# KiCad board coconut42.kicad_pcb
title: coconut42; date: 2024-11-23; rev: 1.3; company: tor-nky
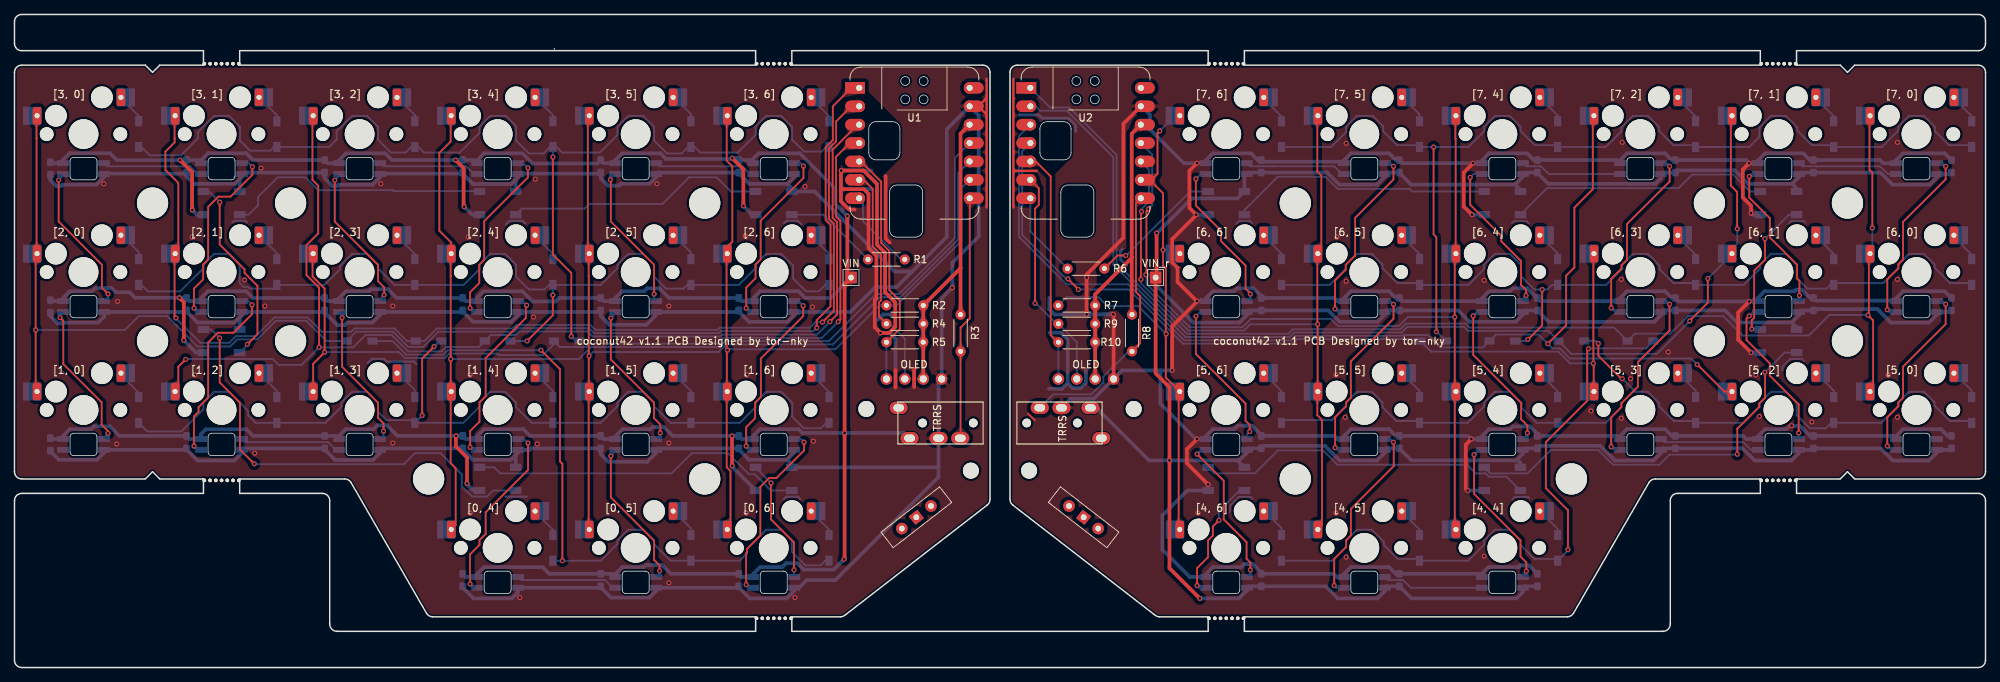
[diagram p0: board, top side]
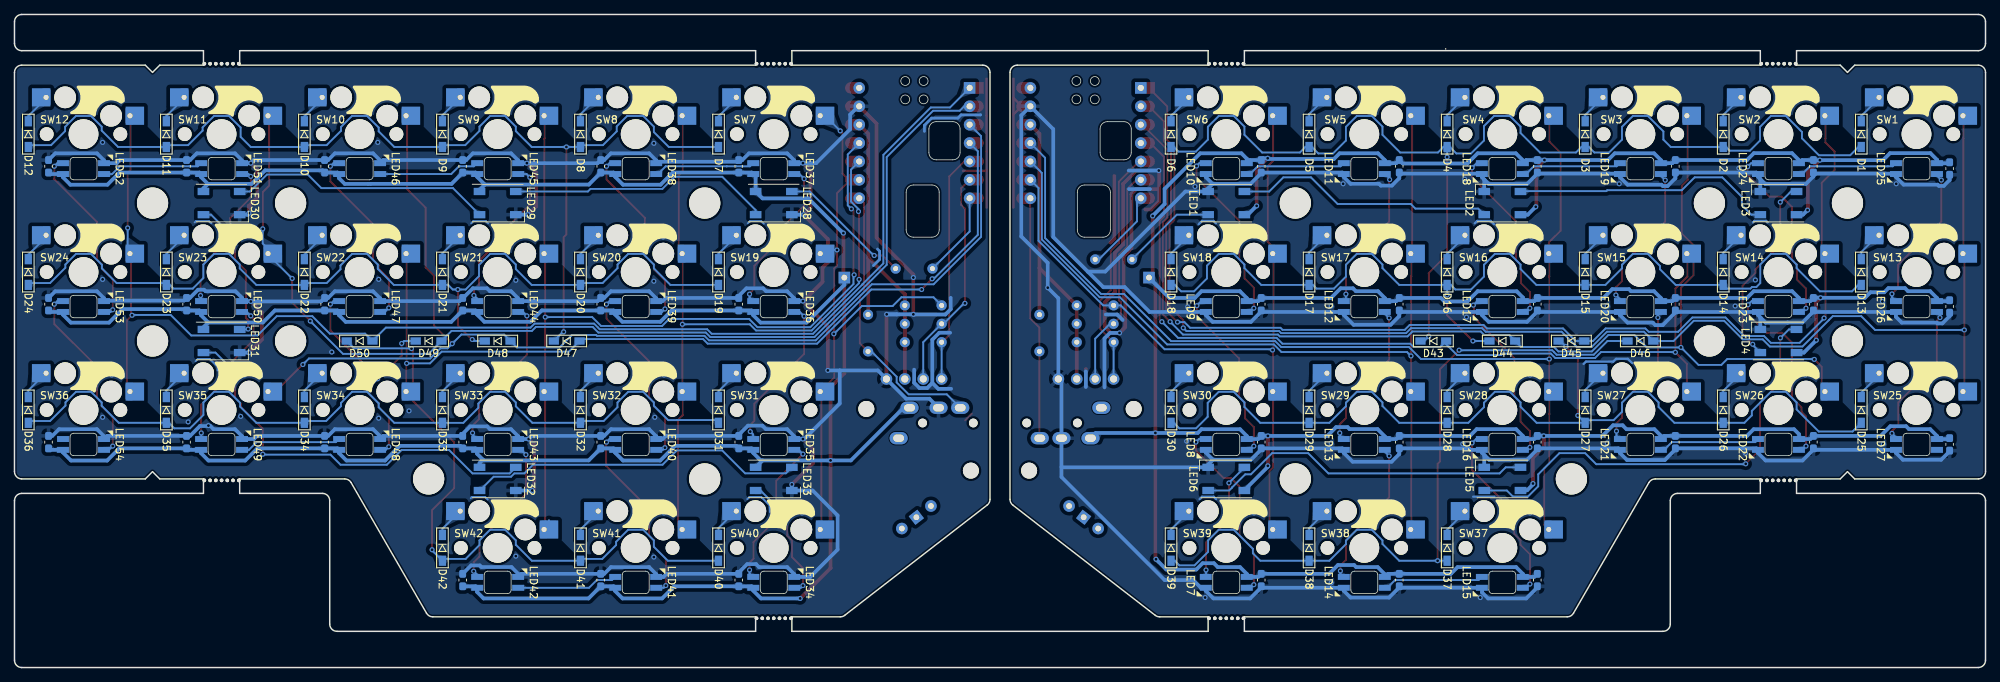
[diagram p1: board, bottom side, seen from below]

Outline 272 x 90.2 mm; copper layers: Top, Bottom. Coordinates in mm from the lower left corner of the outline.
Outline path: 0,89.2 arc(0.29,89.91) 1,90.2 271,90.2 arc(271.71,89.91) 272,89.2 272,86.2 arc(271.71,85.49) 271,85.2 245.93,85.2 245.93,83.2 251.95,83.2 252.95,82.2 253.95,83.2 271,83.2 arc(271.71,82.91) 272,82.2 272,27.05 arc(271.71,26.34) 271,26.05 253.95,26.05 252.95,27.05 251.95,26.05 245.93,26.05 245.93,24.05 271,24.05 arc(271.71,23.76) 272,23.05 272,1 arc(271.71,0.29) 271,0 1,0 arc(0.29,0.29) 0,1 0,23.05 arc(0.29,23.76) 1,24.05 26.08,24.05 26.08,26.05 20.05,26.05 19.05,27.05 18.05,26.05 1,26.05 arc(0.29,26.34) 0,27.05 0,82.2 arc(0.29,82.91) 1,83.2 18.05,83.2 19.05,82.2 20.05,83.2 26.08,83.2 26.08,85.2 1,85.2 arc(0.29,85.49) 0,86.2 0,89.2 ; 31.08,85.2 31.08,83.2 102.28,83.2 102.28,85.2 31.08,85.2 ; 31.08,26.05 31.08,24.05 42.5,24.05 arc(43.21,23.76) 43.5,23.05 43.5,6 arc(43.79,5.29) 44.5,5 102.28,5 102.28,7 57.73,7 arc(57.23,7.13) 56.86,7.5 46.44,25.55 arc(46.08,25.92) 45.58,26.05 31.08,26.05 ; 107.28,85.2 107.28,83.2 133.62,83.2 arc(134.33,82.91) 134.62,82.2 134.62,23.23 arc(134.52,22.79) 134.23,22.44 114.57,7.21 arc(114.28,7.05) 113.96,7 107.28,7 107.28,5 164.73,5 164.73,7 158.04,7 arc(157.72,7.05) 157.43,7.21 137.77,22.44 arc(137.48,22.79) 137.38,23.23 137.38,82.2 arc(137.67,82.91) 138.38,83.2 164.73,83.2 164.73,85.2 107.28,85.2 ; 169.73,85.2 169.73,83.2 240.93,83.2 240.93,85.2 169.73,85.2 ; 169.73,7 169.73,5 227.5,5 arc(228.21,5.29) 228.5,6 228.5,23.05 arc(228.79,23.76) 229.5,24.05 240.93,24.05 240.93,26.05 226.42,26.05 arc(225.92,25.92) 225.56,25.55 215.14,7.5 arc(214.77,7.13) 214.27,7 169.73,7
Stack: Top 0.035mm / dielectric 1.51mm FR4 er 4.5 / Bottom 0.035mm

## Placement (name value [footprint] x y rotation side)
BT1  -  [Breakaway_Tabs]  28.58 83.4 0 top
BT2  -  [Breakaway_Tabs]  104.78 83.4 0 top
BT3  -  [Breakaway_Tabs]  28.58 25.85 0 top
BT4  -  [Breakaway_Tabs]  104.78 6.8 0 top
C7  0.1u  [C_0603_1608Metric_Pad1.08x0.95mm_HandSolder]  99.95 12.08 270 bottom
C8  0.1u  [C_0603_1608Metric_Pad1.08x0.95mm_HandSolder]  99.95 31.13 270 bottom
C9  0.1u  [C_0603_1608Metric_Pad1.08x0.95mm_HandSolder]  99.95 50.18 270 bottom
C10  0.1u  [C_0603_1608Metric_Pad1.08x0.95mm_HandSolder]  99.95 69.23 270 bottom
C11  0.1u  [C_0603_1608Metric_Pad1.08x0.95mm_HandSolder]  80.9 69.23 270 bottom
C12  0.1u  [C_0603_1608Metric_Pad1.08x0.95mm_HandSolder]  80.9 50.18 270 bottom
C13  0.1u  [C_0603_1608Metric_Pad1.08x0.95mm_HandSolder]  80.9 31.13 270 bottom
C14  0.1u  [C_0603_1608Metric_Pad1.08x0.95mm_HandSolder]  80.9 12.08 270 bottom
C15  0.1u  [C_0603_1608Metric_Pad1.08x0.95mm_HandSolder]  61.85 12.08 270 bottom
C16  0.1u  [C_0603_1608Metric_Pad1.08x0.95mm_HandSolder]  61.85 31.13 270 bottom
C17  0.1u  [C_0603_1608Metric_Pad1.08x0.95mm_HandSolder]  61.85 50.18 270 bottom
C18  0.1u  [C_0603_1608Metric_Pad1.08x0.95mm_HandSolder]  61.85 69.23 270 bottom
C19  0.1u  [C_0603_1608Metric_Pad1.08x0.95mm_HandSolder]  42.8 69.23 270 bottom
C20  0.1u  [C_0603_1608Metric_Pad1.08x0.95mm_HandSolder]  42.8 50.18 270 bottom
C21  0.1u  [C_0603_1608Metric_Pad1.08x0.95mm_HandSolder]  42.8 31.13 270 bottom
C22  0.1u  [C_0603_1608Metric_Pad1.08x0.95mm_HandSolder]  23.75 31.13 270 bottom
C23  0.1u  [C_0603_1608Metric_Pad1.08x0.95mm_HandSolder]  23.75 50.18 270 bottom
C24  0.1u  [C_0603_1608Metric_Pad1.08x0.95mm_HandSolder]  23.75 69.23 270 bottom
C25  0.1u  [C_0603_1608Metric_Pad1.08x0.95mm_HandSolder]  4.95 68.92 270 bottom
C26  0.1u  [C_0603_1608Metric_Pad1.08x0.95mm_HandSolder]  4.95 49.87 270 bottom
C27  0.1u  [C_0603_1608Metric_Pad1.08x0.95mm_HandSolder]  4.95 30.82 270 bottom
C34  0.1u  [C_0603_1608Metric_Pad1.08x0.95mm_HandSolder]  172.05 12.08 90 bottom
C35  0.1u  [C_0603_1608Metric_Pad1.08x0.95mm_HandSolder]  172.05 31.13 90 bottom
C36  0.1u  [C_0603_1608Metric_Pad1.08x0.95mm_HandSolder]  172.05 50.18 90 bottom
C37  0.1u  [C_0603_1608Metric_Pad1.08x0.95mm_HandSolder]  172.05 69.23 90 bottom
C38  0.1u  [C_0603_1608Metric_Pad1.08x0.95mm_HandSolder]  191.1 69.23 90 bottom
C39  0.1u  [C_0603_1608Metric_Pad1.08x0.95mm_HandSolder]  191.1 50.18 90 bottom
C40  0.1u  [C_0603_1608Metric_Pad1.08x0.95mm_HandSolder]  191.1 31.13 90 bottom
C41  0.1u  [C_0603_1608Metric_Pad1.08x0.95mm_HandSolder]  191.1 12.08 90 bottom
C42  0.1u  [C_0603_1608Metric_Pad1.08x0.95mm_HandSolder]  210.15 12.08 90 bottom
C43  0.1u  [C_0603_1608Metric_Pad1.08x0.95mm_HandSolder]  210.15 31.13 90 bottom
C44  0.1u  [C_0603_1608Metric_Pad1.08x0.95mm_HandSolder]  210.15 50.18 90 bottom
C45  0.1u  [C_0603_1608Metric_Pad1.08x0.95mm_HandSolder]  210.15 69.23 90 bottom
C46  0.1u  [C_0603_1608Metric_Pad1.08x0.95mm_HandSolder]  229.2 69.23 90 bottom
C47  0.1u  [C_0603_1608Metric_Pad1.08x0.95mm_HandSolder]  229.2 50.18 90 bottom
C48  0.1u  [C_0603_1608Metric_Pad1.08x0.95mm_HandSolder]  229.2 31.13 90 bottom
C49  0.1u  [C_0603_1608Metric_Pad1.08x0.95mm_HandSolder]  248.25 31.13 90 bottom
C50  0.1u  [C_0603_1608Metric_Pad1.08x0.95mm_HandSolder]  248.25 50.18 90 bottom
C51  0.1u  [C_0603_1608Metric_Pad1.08x0.95mm_HandSolder]  248.25 69.23 90 bottom
C52  0.1u  [C_0603_1608Metric_Pad1.08x0.95mm_HandSolder]  267.3 69.23 90 bottom
C53  0.1u  [C_0603_1608Metric_Pad1.08x0.95mm_HandSolder]  267.3 50.18 90 bottom
C54  0.1u  [C_0603_1608Metric_Pad1.08x0.95mm_HandSolder]  267.3 31.13 90 bottom
D1  D  [D3_SMD_v2]  17.15 73.68 270 bottom
D2  D  [D3_SMD_v2]  36.2 73.68 270 bottom
D3  D  [D3_SMD_v2]  55.25 73.68 270 bottom
D4  D  [D3_SMD_v2]  74.3 73.68 270 bottom
D5  D  [D3_SMD_v2]  93.35 73.68 270 bottom
D6  D  [D3_SMD_v2]  112.4 73.68 270 bottom
D7  D  [D3_SMD_v2]  174.85 73.68 270 bottom
D8  D  [D3_SMD_v2]  193.9 73.68 270 bottom
D9  D  [D3_SMD_v2]  212.95 73.68 270 bottom
D10  D  [D3_SMD_v2]  232 73.68 270 bottom
D11  D  [D3_SMD_v2]  251.05 73.68 270 bottom
D12  D  [D3_SMD_v2]  270.1 73.68 270 bottom
D13  D  [D3_SMD_v2]  17.15 54.63 270 bottom
D14  D  [D3_SMD_v2]  36.2 54.63 270 bottom
D15  D  [D3_SMD_v2]  55.25 54.63 270 bottom
D16  D  [D3_SMD_v2]  74.3 54.63 270 bottom
D17  D  [D3_SMD_v2]  93.35 54.63 270 bottom
D18  D  [D3_SMD_v2]  112.4 54.63 270 bottom
D19  D  [D3_SMD_v2]  174.85 54.63 270 bottom
D20  D  [D3_SMD_v2]  193.9 54.63 270 bottom
D21  D  [D3_SMD_v2]  212.95 54.63 270 bottom
D22  D  [D3_SMD_v2]  232 54.63 270 bottom
D23  D  [D3_SMD_v2]  251.05 54.63 270 bottom
D24  D  [D3_SMD_v2]  270.1 54.63 270 bottom
D25  D  [D3_SMD_v2]  17.15 35.58 270 bottom
D26  D  [D3_SMD_v2]  36.2 35.58 270 bottom
D27  D  [D3_SMD_v2]  55.25 35.58 270 bottom
D28  D  [D3_SMD_v2]  74.3 35.58 270 bottom
D29  D  [D3_SMD_v2]  93.35 35.58 270 bottom
D30  D  [D3_SMD_v2]  112.4 35.58 270 bottom
D31  D  [D3_SMD_v2]  174.85 35.58 270 bottom
D32  D  [D3_SMD_v2]  193.9 35.58 270 bottom
D33  D  [D3_SMD_v2]  212.95 35.58 270 bottom
D34  D  [D3_SMD_v2]  232 35.58 270 bottom
D35  D  [D3_SMD_v2]  251.05 35.58 270 bottom
D36  D  [D3_SMD_v2]  270.1 35.58 270 bottom
D37  D  [D3_SMD_v2]  74.3 16.53 270 bottom
D38  D  [D3_SMD_v2]  93.35 16.53 270 bottom
D39  D  [D3_SMD_v2]  112.4 16.53 270 bottom
D40  D  [D3_SMD_v2]  174.85 16.53 270 bottom
D41  D  [D3_SMD_v2]  193.9 16.53 270 bottom
D42  D  [D3_SMD_v2]  212.95 16.53 270 bottom
D43  D  [D3_SMD_v2]  76.2 45.1 180 bottom
D44  D  [D3_SMD_v2]  66.68 45.1 180 bottom
D45  D  [D3_SMD_v2]  57.15 45.1 180 bottom
D46  D  [D3_SMD_v2]  47.63 45.1 180 bottom
D47  D  [D3_SMD_v2]  195.8 45.1 180 bottom
D48  D  [D3_SMD_v2]  205.33 45.1 180 bottom
D49  D  [D3_SMD_v2]  214.85 45.1 180 bottom
D50  D  [D3_SMD_v2]  224.38 45.1 180 bottom
J1  -  [OLED]  124.14 39.86 0 top
J2  -  [MJ-4PP-9]  133.81 33.78 270 top
J3  -  [OLED]  147.86 39.86 0 top
J4  -  [MJ-4PP-9]  138.19 33.78 90 top
LED1  WS2812B  [LED_WS2812B-PLCC4]  104.78 64.15 0 bottom
LED2  WS2812B  [LED_WS2812B-PLCC4]  66.68 64.15 0 bottom
LED3  WS2812B  [LED_WS2812B-PLCC4]  28.58 64.15 0 bottom
LED4  WS2812B  [LED_WS2812B-PLCC4]  28.58 45.1 0 bottom
LED5  WS2812B  [LED_WS2812B-PLCC4]  66.68 26.05 0 bottom
LED6  WS2812B  [LED_WS2812B-PLCC4]  104.78 26.05 0 bottom
LED7  -  [YS-SK6812MINI-E]  104.78 11.76 180 bottom
LED8  -  [YS-SK6812MINI-E]  104.78 30.81 180 bottom
LED9  -  [YS-SK6812MINI-E]  104.78 49.86 180 bottom
LED10  -  [YS-SK6812MINI-E]  104.78 68.91 180 bottom
LED11  -  [YS-SK6812MINI-E]  85.73 68.91 180 bottom
LED12  -  [YS-SK6812MINI-E]  85.73 49.86 180 bottom
LED13  -  [YS-SK6812MINI-E]  85.73 30.81 180 bottom
LED14  -  [YS-SK6812MINI-E]  85.73 11.76 180 bottom
LED15  -  [YS-SK6812MINI-E]  66.68 11.76 180 bottom
LED16  -  [YS-SK6812MINI-E]  66.68 30.81 180 bottom
LED17  -  [YS-SK6812MINI-E]  66.68 49.86 180 bottom
LED18  -  [YS-SK6812MINI-E]  66.68 68.91 180 bottom
LED19  -  [YS-SK6812MINI-E]  47.63 68.91 180 bottom
LED20  -  [YS-SK6812MINI-E]  47.63 49.86 180 bottom
LED21  -  [YS-SK6812MINI-E]  47.63 30.81 180 bottom
LED22  -  [YS-SK6812MINI-E]  28.58 30.81 180 bottom
LED23  -  [YS-SK6812MINI-E]  28.58 49.86 180 bottom
LED24  -  [YS-SK6812MINI-E]  28.58 68.91 180 bottom
LED25  -  [YS-SK6812MINI-E]  9.53 68.91 180 bottom
LED26  -  [YS-SK6812MINI-E]  9.53 49.86 180 bottom
LED27  -  [YS-SK6812MINI-E]  9.53 30.81 180 bottom
LED28  WS2812B  [LED_WS2812B-PLCC4]  167.23 64.15 180 bottom
LED29  WS2812B  [LED_WS2812B-PLCC4]  205.33 64.15 180 bottom
LED30  WS2812B  [LED_WS2812B-PLCC4]  243.43 64.15 180 bottom
LED31  WS2812B  [LED_WS2812B-PLCC4]  243.43 45.1 180 bottom
LED32  WS2812B  [LED_WS2812B-PLCC4]  205.33 26.05 180 bottom
LED33  WS2812B  [LED_WS2812B-PLCC4]  167.23 26.05 180 bottom
LED34  -  [YS-SK6812MINI-E]  167.23 11.76 0 bottom
LED35  -  [YS-SK6812MINI-E]  167.23 30.81 0 bottom
LED36  -  [YS-SK6812MINI-E]  167.23 49.86 0 bottom
LED37  -  [YS-SK6812MINI-E]  167.23 68.91 0 bottom
LED38  -  [YS-SK6812MINI-E]  186.28 68.91 0 bottom
LED39  -  [YS-SK6812MINI-E]  186.28 49.86 0 bottom
LED40  -  [YS-SK6812MINI-E]  186.28 30.81 0 bottom
LED41  -  [YS-SK6812MINI-E]  186.28 11.76 0 bottom
LED42  -  [YS-SK6812MINI-E]  205.33 11.76 0 bottom
LED43  -  [YS-SK6812MINI-E]  205.33 30.81 0 bottom
LED44  -  [YS-SK6812MINI-E]  205.33 49.86 0 bottom
LED45  -  [YS-SK6812MINI-E]  205.33 68.91 0 bottom
LED46  -  [YS-SK6812MINI-E]  224.38 68.91 0 bottom
LED47  -  [YS-SK6812MINI-E]  224.38 49.86 0 bottom
LED48  -  [YS-SK6812MINI-E]  224.38 30.81 0 bottom
LED49  -  [YS-SK6812MINI-E]  243.43 30.81 0 bottom
LED50  -  [YS-SK6812MINI-E]  243.43 49.86 0 bottom
LED51  -  [YS-SK6812MINI-E]  243.42 68.91 0 bottom
LED52  -  [YS-SK6812MINI-E]  262.48 68.91 0 bottom
LED53  -  [YS-SK6812MINI-E]  262.48 49.86 0 bottom
LED54  -  [YS-SK6812MINI-E]  262.48 30.81 0 bottom
PWR SW  -  [SW_Slide-03_Wuerth-WS-SLTV_10x2.5x6.4_P2.54mm]  124.46 20.75 37.8 top
PWR SW#2  -  [SW_Slide-03_Wuerth-WS-SLTV_10x2.5x6.4_P2.54mm]  147.54 20.75 322.2 top
R1  470  [R_Axial_DIN0204_L3.6mm_D1.6mm_P5.08mm_Horizontal]  122.87 56.37 180 top
R2  10k  [R_Axial_DIN0204_L3.6mm_D1.6mm_P5.08mm_Horizontal]  120.33 50.02 0 top
R3  4.7k  [R_Axial_DIN0204_L3.6mm_D1.6mm_P5.08mm_Horizontal]  130.56 43.67 90 top
R4  2.2k  [R_Axial_DIN0204_L3.6mm_D1.6mm_P5.08mm_Horizontal]  125.41 47.48 180 top
R5  2.2k  [R_Axial_DIN0204_L3.6mm_D1.6mm_P5.08mm_Horizontal]  125.41 44.94 180 top
R6  470  [R_Axial_DIN0204_L3.6mm_D1.6mm_P5.08mm_Horizontal]  145.32 55.1 0 top
R7  10k  [R_Axial_DIN0204_L3.6mm_D1.6mm_P5.08mm_Horizontal]  144.05 50.02 0 top
R8  4.7k  [R_Axial_DIN0204_L3.6mm_D1.6mm_P5.08mm_Horizontal]  154.21 43.67 90 top
R9  2.2k  [R_Axial_DIN0204_L3.6mm_D1.6mm_P5.08mm_Horizontal]  149.13 47.48 180 top
R10  2.2k  [R_Axial_DIN0204_L3.6mm_D1.6mm_P5.08mm_Horizontal]  149.13 44.94 180 top
rBT1  -  [Breakaway_Tabs]  243.43 83.4 0 top
rBT2  -  [Breakaway_Tabs]  167.23 83.4 0 top
rBT3  -  [Breakaway_Tabs]  243.43 25.85 0 top
rBT4  -  [Breakaway_Tabs]  167.23 6.8 0 top
Ref**  Val**  [M2_HOLE_v2]  95.25 64.15 0 top
Ref**#2  Val**  [M2_HOLE_v2]  57.15 26.05 0 top
Ref**#3  Val**  [M2_HOLE_v2]  95.25 26.05 0 top
Ref**#4  Val**  [MountingHole_2.2mm_M2]  117.55 35.71 0 top
Ref**#5  Val**  [MountingHole_2.2mm_M2]  131.98 27.19 0 top
Ref**#6  Val**  [M2_HOLE_v2]  214.85 26.05 180 top
Ref**#7  Val**  [MountingHole_2.2mm_M2]  140.02 27.19 0 top
Ref**#8  Val**  [M2_HOLE_v2]  176.75 26.05 180 top
Ref**#9  Val**  [M2_HOLE_v2]  252.95 64.15 180 top
Ref**#10  Val**  [M2_HOLE_v2]  176.75 64.15 180 top
Ref**#11  Val**  [MountingHole_2.2mm_M2]  154.45 35.71 0 top
Ref**#12  Val**  [M2_HOLE_v2]  19.05 45.1 0 top
Ref**#13  Val**  [M2_HOLE_v2]  19.05 64.15 0 top
Ref**#14  Val**  [M2_HOLE_v2]  38.1 64.15 0 top
Ref**#15  Val**  [M2_HOLE_v2]  38.1 45.1 0 top
Ref**#16  Val**  [M2_HOLE_v2]  233.9 64.15 180 top
Ref**#17  Val**  [M2_HOLE_v2]  233.9 45.1 180 top
Ref**#18  Val**  [M2_HOLE_v2]  252.95 45.1 180 bottom
SW1  [3, 0]  [keyswitch_cherrymx_hotswap_1u]  9.53 73.68 180 bottom
SW2  [3, 1]  [keyswitch_cherrymx_hotswap_1u]  28.58 73.68 180 bottom
SW3  [3, 2]  [keyswitch_cherrymx_hotswap_1u]  47.63 73.68 180 bottom
SW4  [3, 4]  [keyswitch_cherrymx_hotswap_1u]  66.68 73.68 180 bottom
SW5  [3, 5]  [keyswitch_cherrymx_hotswap_1u]  85.73 73.68 180 bottom
SW6  [3, 6]  [keyswitch_cherrymx_hotswap_1u]  104.78 73.68 180 bottom
SW7  [7, 6]  [keyswitch_cherrymx_hotswap_1u]  167.23 73.68 180 bottom
SW8  [7, 5]  [keyswitch_cherrymx_hotswap_1u]  186.28 73.68 180 bottom
SW9  [7, 4]  [keyswitch_cherrymx_hotswap_1u]  205.33 73.68 180 bottom
SW10  [7, 2]  [keyswitch_cherrymx_hotswap_1u]  224.38 73.68 180 bottom
SW11  [7, 1]  [keyswitch_cherrymx_hotswap_1u]  243.43 73.68 180 bottom
SW12  [7, 0]  [keyswitch_cherrymx_hotswap_1u]  262.48 73.68 180 bottom
SW13  [2, 0]  [keyswitch_cherrymx_hotswap_1u]  9.53 54.63 180 bottom
SW14  [2, 1]  [keyswitch_cherrymx_hotswap_1u]  28.58 54.63 180 bottom
SW15  [2, 3]  [keyswitch_cherrymx_hotswap_1u]  47.63 54.63 180 bottom
SW16  [2, 4]  [keyswitch_cherrymx_hotswap_1u]  66.68 54.63 180 bottom
SW17  [2, 5]  [keyswitch_cherrymx_hotswap_1u]  85.73 54.63 180 bottom
SW18  [2, 6]  [keyswitch_cherrymx_hotswap_1u]  104.78 54.63 180 bottom
SW19  [6, 6]  [keyswitch_cherrymx_hotswap_1u]  167.23 54.63 180 bottom
SW20  [6, 5]  [keyswitch_cherrymx_hotswap_1u]  186.28 54.63 180 bottom
SW21  [6, 4]  [keyswitch_cherrymx_hotswap_1u]  205.33 54.63 180 bottom
SW22  [6, 3]  [keyswitch_cherrymx_hotswap_1u]  224.38 54.63 180 bottom
SW23  [6, 1]  [keyswitch_cherrymx_hotswap_1u]  243.43 54.63 180 bottom
SW24  [6, 0]  [keyswitch_cherrymx_hotswap_1u]  262.48 54.63 180 bottom
SW25  [1, 0]  [keyswitch_cherrymx_hotswap_1u]  9.53 35.58 180 bottom
SW26  [1, 2]  [keyswitch_cherrymx_hotswap_1u]  28.58 35.58 180 bottom
SW27  [1, 3]  [keyswitch_cherrymx_hotswap_1u]  47.63 35.58 180 bottom
SW28  [1, 4]  [keyswitch_cherrymx_hotswap_1u]  66.68 35.58 180 bottom
SW29  [1, 5]  [keyswitch_cherrymx_hotswap_1u]  85.73 35.58 180 bottom
SW30  [1, 6]  [keyswitch_cherrymx_hotswap_1u]  104.78 35.58 180 bottom
SW31  [5, 6]  [keyswitch_cherrymx_hotswap_1u]  167.23 35.58 180 bottom
SW32  [5, 5]  [keyswitch_cherrymx_hotswap_1u]  186.28 35.58 180 bottom
SW33  [5, 4]  [keyswitch_cherrymx_hotswap_1u]  205.33 35.58 180 bottom
SW34  [5, 3]  [keyswitch_cherrymx_hotswap_1u]  224.38 35.58 180 bottom
SW35  [5, 2]  [keyswitch_cherrymx_hotswap_1u]  243.43 35.58 180 bottom
SW36  [5, 0]  [keyswitch_cherrymx_hotswap_1u]  262.48 35.58 180 bottom
SW37  [0, 4]  [keyswitch_cherrymx_hotswap_1u]  66.68 16.53 180 bottom
SW38  [0, 5]  [keyswitch_cherrymx_hotswap_1u]  85.73 16.53 180 bottom
SW39  [0, 6]  [keyswitch_cherrymx_hotswap_1u]  104.78 16.53 180 bottom
SW40  [4, 6]  [keyswitch_cherrymx_hotswap_1u]  167.23 16.53 180 bottom
SW41  [4, 5]  [keyswitch_cherrymx_hotswap_1u]  186.28 16.53 180 bottom
SW42  [4, 4]  [keyswitch_cherrymx_hotswap_1u]  205.33 16.53 180 bottom
TP1  VIN  [TestPoint_THTPad_1.6x1.6mm_Drill0.8mm]  115.44 53.86 0 top
TP2  VIN_r  [TestPoint_THTPad_1.6x1.6mm_Drill0.8mm]  157.48 53.86 0 top
U1  MOUDLE-SEEEDUINO-XIAO  [MOUDLE14P-2WAY-2.54-21X17.8MM]  124.19 72.44 90 top
U2  MOUDLE-SEEEDUINO-XIAO  [MOUDLE14P-2WAY-2.54-21X17.8MM]  147.81 72.44 90 top

## Library data of the parts
C7-C27 C34-C54 = -: Description: Unpolarized capacitor, small symbol; ki_fp_filters: C_*
D1-D50 = -: Description: Diode; Sim.Pins: 1=K 2=A; ki_fp_filters: TO-???* *_Diode_* *SingleDiode* D_*
J1 J3 = -: Description: Generic connector, single row, 01x04, script generated (kicad-library-utils/schlib/autogen/connector/); ki_fp_filters: Connector*:*_1x??_*
J2 J4 = -: Description: 4-pin (audio) jack receptable (stereo + 4th pin/TRRS connector), compatible with PJ320A
LED1-LED6 LED28-LED33 = -: Datasheet: https://cdn-shop.adafruit.com/datasheets/WS2812B.pdf; Description: RGB LED with integrated controller; Field4: 1; ki_fp_filters: LED*WS2812*PLCC*5.0x5.0mm*P3.2mm*
R1-R10 = -: Description: Resistor; ki_fp_filters: R_*
TP1 TP2 = -: Description: test point; ki_fp_filters: Pin* Test*

## Footprints (pads in the part's own frame, mm; a bottom-side part is the same pattern mirrored in y, then rotated)
Breakaway_Tabs
  round 0.5 hole 0.5 unplated: (-2.375,0) (-1.583,0) (-0.792,0) (0,0) (0.792,0) (1.583,0) (2.375,0)
C_0603_1608Metric_Pad1.08x0.95mm_HandSolder
  rrect 1.075x0.95 smd: 1(-0.863,0) 2(0.863,0)
D3_SMD_v2
  rect 1.4x1 smd: 1(-1.775,0) 2(1.775,0)
keyswitch_cherrymx_hotswap_1u
  round 1.9 hole 1.9 unplated: (-5.08,0) (5.08,0)
  round 3 hole 3 unplated: (-2.54,5.08) (3.81,2.54)
  round 4.1 hole 4.1 unplated: (0,0)
  rrect 1.2x2.4 hole 0.7: 1(6.41,2.54) 2(-5.167,5.08)
  rect 2.55x2.5 smd: 1(7.085,2.54) 2(-5.842,5.08)
LED_WS2812B-PLCC4
  rect 1.6x1 smd: 1(-2.5,1.6) 2(-2.5,-1.6) 3(2.5,-1.6) 4(2.5,1.6)
M2_HOLE_v2
  round 4.3 hole 4.3 unplated: (0,0)
MJ-4PP-9
  round 1.2 hole 1.2 unplated: (0,-1.5) (0,-8.5)
  oval 1.7x2.5 hole 1x1.5: A(-2.1,-11.8) B(2.1,-3.3) C(2.1,-6.3) D(2.1,-10.3)
MOUDLE14P-2WAY-2.54-21X17.8MM
  rect 1.6x1.6 hole 0.85: 1(7.62,7.62)
  rect 1.6x2.75 smd: 1(7.62,7.62)
  round 1.6 hole 0.85: 2(5.08,7.62) 3(2.54,7.62) 4(0,7.62) 5(-2.54,7.62) 6(-5.08,7.62) 7(-7.62,7.62) 8(-7.62,-7.62) 9(-5.08,-7.62) 10(-2.54,-7.62) 11(0,-7.62) 12(2.54,-7.62) 13(5.08,-7.62) 14(7.62,-7.62)
  oval 1.6x2.75 smd: 2(5.08,7.62) 3(2.54,7.62) 4(0,7.62) 5(-2.54,7.62) 6(-5.08,7.62) 7(-7.62,7.62) 8(-7.62,-7.62) 9(-5.08,-7.62) 10(-2.54,-7.62) 11(0,-7.62) 12(2.54,-7.62) 13(5.08,-7.62) 14(7.62,-7.62)
MountingHole_2.2mm_M2
  round 2.2 hole 2.2 unplated: (0,0)
OLED
  round 1.6 hole 1: 1(-3.81,0) 2(-1.27,0) 3(1.27,0) 4(3.81,0)
R_Axial_DIN0204_L3.6mm_D1.6mm_P5.08mm_Horizontal
  round 1.4 hole 0.7: 1(0,0)
  oval 1.4x1.4 hole 0.7: 2(5.08,0)
SW_Slide-03_Wuerth-WS-SLTV_10x2.5x6.4_P2.54mm
  rect 1.5x1.5 hole 0.8: 1(0,0)
  round 1.6 hole 0.8: 2(-2.54,0) 3(2.54,0)
TestPoint_THTPad_1.6x1.6mm_Drill0.8mm
  rect 1.6x1.6 hole 0.8: 1(0,0)
YS-SK6812MINI-E
  rect 1.64x0.82 smd: 1(2.83,0.75) 2(2.83,-0.75) 3(-2.83,-0.75) 4(-2.83,0.75)

## Nets
3V3: J1.3 R2.2 R3.2 R4.1 R5.1 U1.12
3V3_r: J3.3 R7.2 R8.2 R9.1 R10.1 U2.12
GND: C7.2 C8.2 C9.2 C10.2 C11.2 C12.2 C13.2 C14.2 C15.2 C16.2 C17.2 C18.2 C19.2 C20.2 C21.2 C22.2 C23.2 C24.2 C25.2 C26.2 C27.2 J1.4 J2.C LED1.3 LED2.3 LED3.3 LED4.3 LED5.3 LED6.3 LED7.3 LED8.3 LED9.3 LED10.3 LED11.3 LED12.3 LED13.3 LED14.3 LED15.3 LED16.3 LED17.3 LED18.3 LED19.3 LED20.3 LED21.3 LED22.3 LED23.3 LED24.3 LED25.3 LED26.3 LED27.3 U1.13
GND_r: C34.2 C35.2 C36.2 C37.2 C38.2 C39.2 C40.2 C41.2 C42.2 C43.2 C44.2 C45.2 C46.2 C47.2 C48.2 C49.2 C50.2 C51.2 C52.2 C53.2 C54.2 J3.4 J4.C LED28.3 LED29.3 LED30.3 LED31.3 LED32.3 LED33.3 LED34.3 LED35.3 LED36.3 LED37.3 LED38.3 LED39.3 LED40.3 LED41.3 LED42.3 LED43.3 LED44.3 LED45.3 LED46.3 LED47.3 LED48.3 LED49.3 LED50.3 LED51.3 LED52.3 LED53.3 LED54.3 U2.13
VIN: C7.1 C8.1 C9.1 C10.1 C11.1 C12.1 C13.1 C14.1 C15.1 C16.1 C17.1 C18.1 C19.1 C20.1 C21.1 C22.1 C23.1 C24.1 C25.1 C26.1 C27.1 J2.D LED1.1 LED2.1 LED3.1 LED4.1 LED5.1 LED6.1 LED7.1 LED8.1 LED9.1 LED10.1 LED11.1 LED12.1 LED13.1 LED14.1 LED15.1 LED16.1 LED17.1 LED18.1 LED19.1 LED20.1 LED21.1 LED22.1 LED23.1 LED24.1 LED25.1 LED26.1 LED27.1 TP1.1
VIN_r: C34.1 C35.1 C36.1 C37.1 C38.1 C39.1 C40.1 C41.1 C42.1 C43.1 C44.1 C45.1 C46.1 C47.1 C48.1 C49.1 C50.1 C51.1 C52.1 C53.1 C54.1 J4.D LED28.1 LED29.1 LED30.1 LED31.1 LED32.1 LED33.1 LED34.1 LED35.1 LED36.1 LED37.1 LED38.1 LED39.1 LED40.1 LED41.1 LED42.1 LED43.1 LED44.1 LED45.1 LED46.1 LED47.1 LED48.1 LED49.1 LED50.1 LED51.1 LED52.1 LED53.1 LED54.1 TP2.1
data: J2.B R3.1 U1.8
data_r: J4.B R8.1 U2.8
LED: LED1.4 R1.2
LED_r: LED28.4 R6.2
P2: R2.1 SW6.1 SW18.1 SW30.1 SW39.1 U1.9
P2_r: R7.1 SW7.1 SW19.1 SW31.1 SW40.1 U2.9
P3: SW4.1 SW16.1 SW28.1 SW37.1 U1.11
P3_r: SW9.1 SW21.1 SW33.1 SW42.1 U2.11
P4: SW5.1 SW17.1 SW29.1 SW38.1 U1.10
P4_r: SW8.1 SW20.1 SW32.1 SW41.1 U2.10
P26: D46.2 SW1.1 SW13.1 SW25.1 U1.1
P26_r: D50.2 SW12.1 SW24.1 SW36.1 U2.1
P27: D45.2 SW2.1 SW14.1 U1.2
P27_r: D49.2 SW11.1 SW23.1 U2.2
P28: D44.2 SW3.1 SW26.1 U1.3
P28_r: D48.2 SW10.1 SW35.1 U2.3
P29: D43.2 SW15.1 SW27.1 U1.4
P29_r: D47.2 SW22.1 SW34.1 U2.4
SCL: J1.2 R4.2 U1.6
SCL_r: J3.2 R9.2 U2.6
SDA: J1.1 R5.2 U1.5
SDA_r: J3.1 R10.2 U2.5
Net-(D1-A): D1.2 D2.2 D3.2 D4.2 D5.2 D6.2 D43.1
Net-(D1-K): D1.1 SW1.2
Net-(D2-K): D2.1 SW2.2
Net-(D3-K): D3.1 SW3.2
Net-(D4-K): D4.1 SW4.2
Net-(D5-K): D5.1 SW5.2
Net-(D6-K): D6.1 SW6.2
Net-(D7-K): D7.1 SW7.2
Net-(D8-K): D8.1 SW8.2
Net-(D9-K): D9.1 SW9.2
Net-(D10-A): D7.2 D8.2 D9.2 D10.2 D11.2 D12.2 D47.1
Net-(D10-K): D10.1 SW10.2
Net-(D11-K): D11.1 SW11.2
Net-(D12-K): D12.1 SW12.2
Net-(D13-A): D13.2 D14.2 D15.2 D16.2 D17.2 D18.2 D44.1
Net-(D13-K): D13.1 SW13.2
Net-(D14-K): D14.1 SW14.2
Net-(D15-K): D15.1 SW15.2
Net-(D16-K): D16.1 SW16.2
Net-(D17-K): D17.1 SW17.2
Net-(D18-K): D18.1 SW18.2
Net-(D19-A): D19.2 D20.2 D21.2 D22.2 D23.2 D24.2 D48.1
Net-(D19-K): D19.1 SW19.2
Net-(D20-K): D20.1 SW20.2
Net-(D21-K): D21.1 SW21.2
Net-(D22-K): D22.1 SW22.2
Net-(D23-K): D23.1 SW23.2
Net-(D24-K): D24.1 SW24.2
Net-(D25-A): D25.2 D26.2 D27.2 D28.2 D29.2 D30.2 D45.1
Net-(D25-K): D25.1 SW25.2
Net-(D26-K): D26.1 SW26.2
Net-(D27-K): D27.1 SW27.2
Net-(D28-K): D28.1 SW28.2
Net-(D29-K): D29.1 SW29.2
Net-(D30-K): D30.1 SW30.2
Net-(D31-A): D31.2 D32.2 D33.2 D34.2 D35.2 D36.2 D49.1
Net-(D31-K): D31.1 SW31.2
Net-(D32-K): D32.1 SW32.2
Net-(D33-K): D33.1 SW33.2
Net-(D34-K): D34.1 SW34.2
Net-(D35-K): D35.1 SW35.2
Net-(D36-K): D36.1 SW36.2
Net-(D37-A): D37.2 D38.2 D39.2 D46.1
Net-(D37-K): D37.1 SW37.2
Net-(D38-K): D38.1 SW38.2
Net-(D39-K): D39.1 SW39.2
Net-(D40-A): D40.2 D41.2 D42.2 D50.1
Net-(D40-K): D40.1 SW40.2
Net-(D41-K): D41.1 SW41.2
Net-(D42-K): D42.1 SW42.2
Net-(LED1-DOUT): LED1.2 LED2.4
Net-(LED2-DOUT): LED2.2 LED3.4
Net-(LED3-DOUT): LED3.2 LED4.4
Net-(LED4-DOUT): LED4.2 LED5.4
Net-(LED5-DOUT): LED5.2 LED6.4
Net-(LED6-DOUT): LED6.2 LED7.4
Net-(LED7-DOUT): LED7.2 LED8.4
Net-(LED8-DOUT): LED8.2 LED9.4